# Altium PCB Nestling_2.x_EXB.PcbDoc (part 1 of 2) (continued)
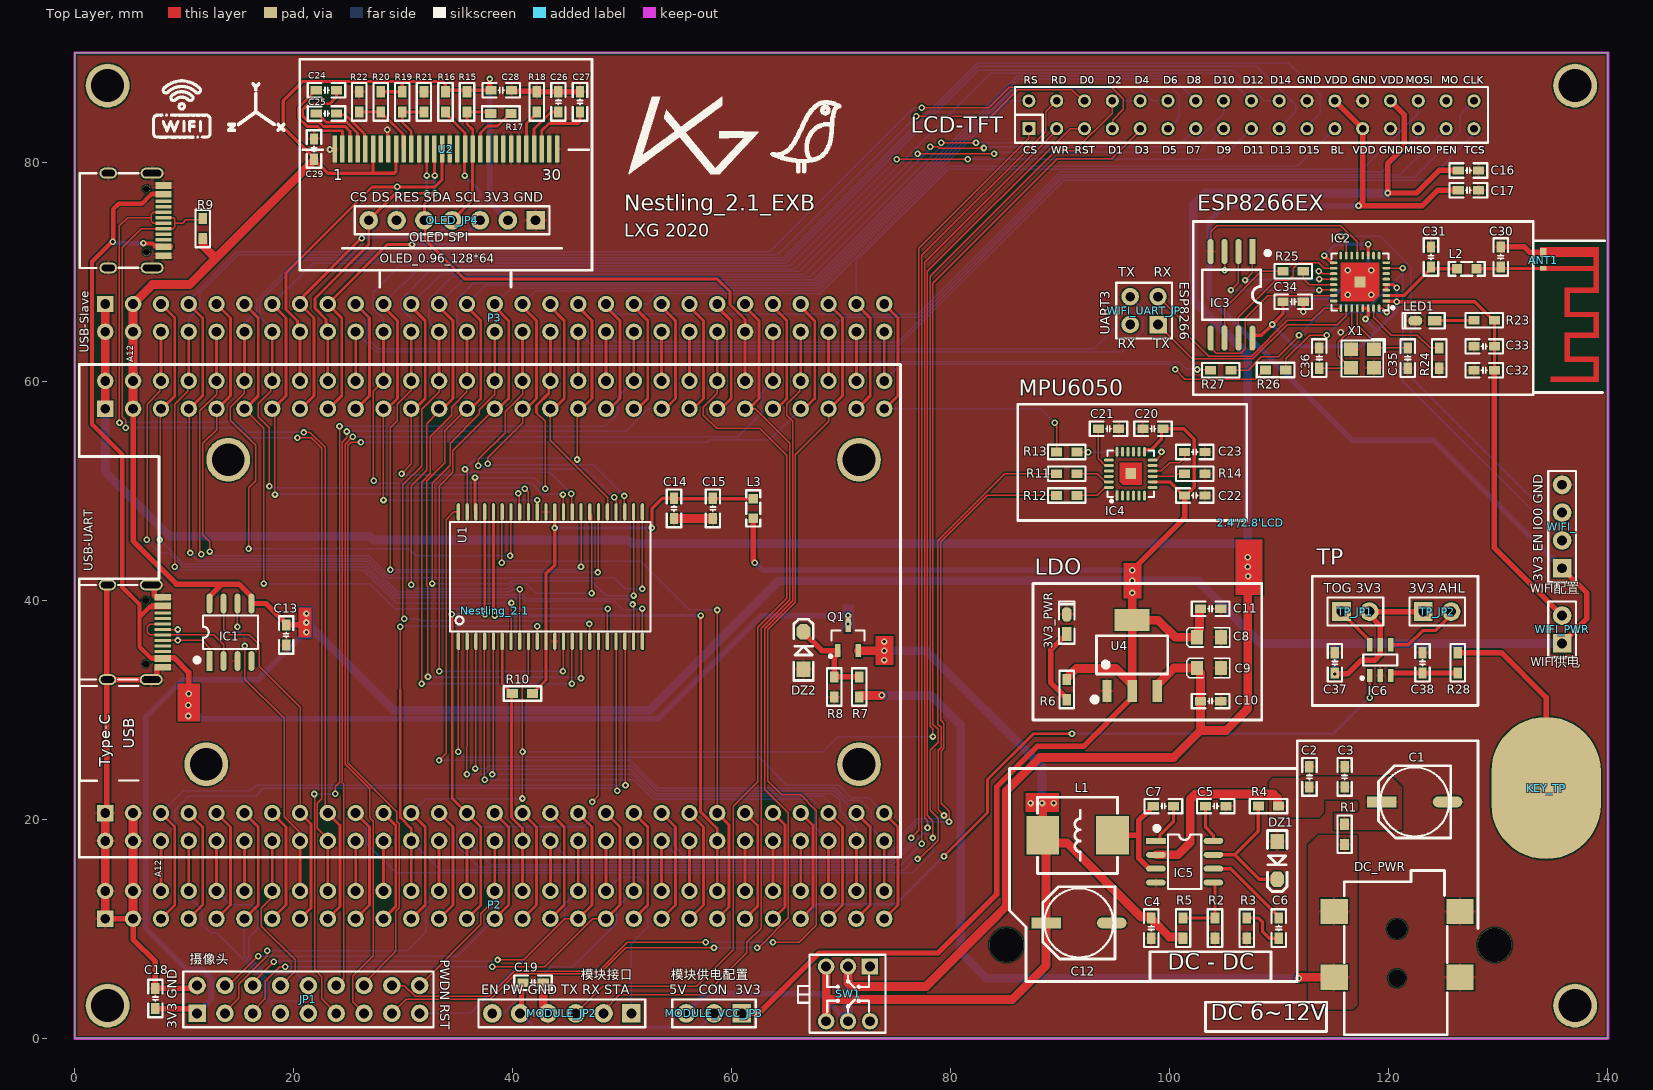
[diagram p0: Top Layer view]
## Footprints (in the part's own frame and the unit in brackets; to place one, negate y for a bottom-side part, rotate by r counter-clockwise, add the part's x,y. Pads: shape width x height; smd on the part's side, far side on the other; paste and mask are expansions set on the pad) (continued)
  oct 55x50 smd: 2(67.5,0)
  silkscreen extent -108,-35 112,35, body extent -73,-31 73,31, height 48
SOP8_N [mm] "5*6*1.8mm（长宽高）"
  rect 1.8x0.55 smd: 1(-2.625,1.905)
  oval 1.8x0.55 smd: 2(-2.625,0.635) 3(-2.625,-0.635) 4(-2.625,-1.905) 5(2.625,-1.905) 6(2.625,-0.635) 7(2.625,0.635) 8(2.625,1.905)
  silkscreen extent -2.69,-2.5 1.52,3.2, body extent -3,-2.5 3,2.5, height 1.9
SOP8W_N [mm] "5.3*8.3*1.8mm（长宽高）"
  rect 2.3x0.55 smd: 1(-3.95,1.905)
  oval 2.3x0.55 smd: 2(-3.95,0.635) 3(-3.95,-0.635) 4(-3.95,-1.905) 5(3.95,-1.905) 6(3.95,-0.635) 7(3.95,0.635) 8(3.95,1.905)
  silkscreen extent -3.94,-2.67 2.29,3.43, body extent -3.94,-2.64 3.94,2.64, height 1.9
SOT23-3N [mm] "3x1.3x1mm(长宽高)"
  rect 0.5x1.2 smd: 1(-0.95,-1.143) 2(0.95,-1.143) 3(0,1.143)
  silkscreen extent -1.72,-1.78 1.5,0.7, body extent -1.5,-1.2 1.5,1.2, height 1.05
SOT23-6N [mm] "3x1.6x1.1mm(长宽高)"
  rect 0.5x1.2 smd: 1(-0.95,-1.4) 2(0,-1.4) 3(0.95,-1.4) 4(0.95,1.4) 5(0,1.4) 6(-0.95,1.4)
  silkscreen extent -1.78,-1.78 1.55,0.51, body extent -1.5,-1.4 1.5,1.4, height 1.15
SOT223_N [mm] "6.4x7x1.6mm(长宽高)"
  rect 0.85x2 smd: 1(-2.3,-3.302) 2(0,-3.302) 3(2.3,-3.302)
  rect 3.2x2 smd: 2(0,3.175)
  silkscreen extent -3.63,-4.26 3.25,1.75, body extent -3.25,-3.51 3.25,3.51, height 1.65
TP_PIN_10*13mm [mm] "电容触摸感应电极"
  oval 10x13 smd: 1(0,0)
TSOP44-0.8MM [mm]
  oval 1.6x0.3 smd: 1(-5.9,8.4) 2(-5.9,7.6) 3(-5.9,6.8) 4(-5.9,6) 5(-5.9,5.2) 6(-5.9,4.4) 7(-5.9,3.6) 8(-5.9,2.8) 9(-5.9,2) 10(-5.9,1.2) 11(-5.9,0.4) 12(-5.9,-0.4) 13(-5.9,-1.2) 14(-5.9,-2) 15(-5.9,-2.8) 16(-5.9,-3.6) 17(-5.9,-4.4) 18(-5.9,-5.2) 19(-5.9,-6) 20(-5.9,-6.8) 21(-5.9,-7.6) 22(-5.9,-8.4) 23(5.9,-8.4) 24(5.9,-7.6) 25(5.9,-6.8) 26(5.9,-6) 27(5.9,-5.2) 28(5.9,-4.4) 29(5.9,-3.6) 30(5.9,-2.8) 31(5.9,-2) 32(5.9,-1.2) 33(5.9,-0.4) 34(5.9,0.4) 35(5.9,1.2) 36(5.9,2) 37(5.9,2.8) 38(5.9,3.6) 39(5.9,4.4) 40(5.9,5.2) 41(5.9,6) 42(5.9,6.8) 43(5.9,7.6) 44(5.9,8.4)
  silkscreen extent -5,-9.15 5,9.15
Type-C [mm]
  round 0.65 hole 0.65: 0(-0.98,2.89) 0(-0.98,-2.89)
  oval 1.6x1 hole 0.6 slot 1.2 at 0 deg: 1(2.52,4.325) 2(2.52,-4.325)
  oval 2.1x1 hole 0.6 slot 1.7 at 0 deg: 3(-1.48,-4.325) 4(-1.48,4.325)
  rect 1.5x0.3 smd: A1(-2.52,-3.35) A4(-2.52,-2.55) A5(-2.52,-1.25) A6(-2.52,-0.25) A7(-2.52,0.25) A8(-2.52,1.25) A9(-2.52,2.55) A12(-2.52,3.35) B1(-2.52,3.05) B4(-2.52,2.25) B5(-2.52,1.75) B6(-2.52,0.75) B7(-2.52,-0.75) B8(-2.52,-1.75) B9(-2.52,-2.25) B12(-2.52,-3.05)
  silkscreen extent -0.22,-4.33 5.12,4.33

## Part data
3V3_PWR: library part LED0, "Typical INFRARED GaAs LED"
C1 C12: library part C-CM, "贴片电解电容", BOM名称=贴, 学习资源=www.oooc
C2 C3 C4 C5 C6 C7 C13 C14 C15 C16 C17 C18 C19 C20 C21 C22 C23 C24 C25 C26 C27 C28 C29 C30 C31 C32 C33 C34 C35 C36 C37 C38: library part C, "无极性贴片电容"
  C2 C3 C4 C5 C6 C7 C13 C14 C15 C16 C17 C18 C19 C20 C21 C22 C23 C24 C25 C26 C27 C28 C29 C30 C31 C32 C33 C34 C35 C36: BOM名称=无, 学习资源=www.oooc
  C37 C38: BOM名称=无极性贴片电容, 版权归属=源创客, 学习资源=www.ooocke.com
C8 C9: library part C-CD, "贴片钽电容", BOM名称=?, 学习资源=www.oooc
C10: library part CAP, "Capacitor"
C11: library part Cap, "Capacitor", LatestRevisionDate=17-Jul-2002, LatestRevisionNote="Re-released for DXP Platform.", PackageReference=RAD-0.3, Published=8-Jun-2000, Publisher="Altium Limited"
DC_PWR: library part P-DC, "低压电源接口", BOM名称=DC?, 学习资源=www.oooc
DZ1 DZ2: library part 1N4625, "5.1V/0.5W稳压管", BOM名称=5.1V/0.5W, 学习资源=www.oooc
IC1: "USB 转串口芯片 CH330/CH340N"
IC2: "WIFI-芯片", BOM名称=WIFI-, 学习资源=www.oooc
IC3: library part SST25VFxx, "外置Flash", BOM名称=外?, 学习资源=www.oooc
IC6: library part RH6015C, "贴片单通道电容式触摸感应控制开关IC"
JP1: "9*2P接插件", BOM名称=9*2P, 学习资源=www.oooc
L1 L2 L3: library part L, "小功率贴片电感"
  L2 L3: BOM名称=小, 学习资源=www.oooc
LED1: library part LED-SMD, "贴片LED", BOM名称=?, 学习资源=www.oooc
MODULE_JP2: library part "Header 6", "6P接插件", BOM名称=6P, 学习资源=www.oooc
MODULE_VCC_JP3: library part "Header 3", "3P接插件", BOM名称=3P, 学习资源=www.oooc
OLED_JP4: library part "Header 7", "7P接插件", BOM名称=7P, 学习资源=www.oooc
Q1: library part SI2301, "P沟道场效应管", BOM名称=P沟, 学习资源=www.oooc
R1 R2 R3 R4 R5 R7 R8: library part R, "贴片电阻", BOM名称=?, 学习资源=www.oooc
R6: library part R
R9 R10 R11 R12 R13 R14 R15 R16 R17 R18 R19 R20 R21 R22 R23 R24 R25 R26 R27 R28: library part RES, "Resistor"
SW1: "7*7自锁开关", BOM名称=7*7?, 学习资源=www.oooc
TP_JP1 TP_JP2 WIFI_PWR: library part "Header 2", "2P接插件"
  TP_JP1 TP_JP2: BOM名称=2P接插件, 版权归属=源创客, 学习资源=www.ooocke.com
  WIFI_PWR: BOM名称=2P, 学习资源=www.oooc
U1: "TSOP-II,2.5V - 3.6V, 512K x 16,55ns", Manufacturer #1=ISSI, Manufacturer #1 PN=IS62WV51216BLL-55TI, Tolerance=55ns, PCB DECAL=TSOP44-0.8MM
U2: library part OLED_0.96_SSD1306, "OLED_0.96寸_SSD1306，裸屏接口"
U4: library part LT1085CM-3.3
WIFI_: library part "Header 4", "4P接插件", BOM名称=4P, 学习资源=www.oooc
WIFI_UART_JP: library part "Header 2X2", "2*2P接插件", BOM名称=2*2P接插件, 版权归属=源创客, 学习资源=www.ooocke.com
X1: library part XTAL-4P, "4脚无源晶振", BOM名称=4?, 学习资源=www.oooc

## Free pads (board coordinates)
  round 4 hole 3: 1(3,3) 1(3,87) 1(137,3) 1(137,87)

## Via types
v1: diameter 0.6, hole 0.3, Top Layer to Bottom Layer, 181 vias
v2: diameter 1.8, hole 1.8, Top Layer to Bottom Layer, 1 vias
v3: diameter 1.6, hole 1.6, Top Layer to Bottom Layer, 1 vias

## Nets (pads, with @x,y where several pads share a name; then routed paths per layer and width w, separated by ;. In a path a pad name is that pad's centre, name@x,y a point inside that pad or via, vN(x,y) a via of type N, cw(c..) or ccw(c..) an arc to the next point about the centre after c; other vN are vias at no path point)
3V3: 2.4'/2.8'LCD.24 2.4'/2.8'LCD.25 C8.1 C11.1 C13.2 C17.1 C18.1 C20.2 C22.1 C28.1 C29.1 C37.2 IC1.5 IC1.8 IC4.8 IC4.13 IC6.5 JP1.1 L3.1 MODULE_VCC_JP3.1 Nestling_2.1.61 Nestling_2.1.62 OLED_JP4.2 P3.3 P3.4 R6.2 R9.1 R15.2 R16.2 R19.2 R20.2 TP_JP1.2 TP_JP2.1 U2.6 U2.9 U4.2 WIFI_.1 WIFI_PWR.1 | length 554.3
  Top Layer w0.3: C29.1@21.844,80.277 21.844,80.404 19.05,83.198 19.05,85.598 20.828,87.376 29.916,87.376 ; C29.1@22.075,79.919 22.202,79.919 23.12,79.001 27.245,79.001 ; U2.6@27.245,81.204 27.245,79.001 ; R20.2@27.95,86.436 R19.2@29.916,86.436 29.916,87.376 ; U2.9@29.345,81.204 29.345,79.177 29.17,79.001 27.245,79.001 ; C28.1@38.024,86.563 33.975,86.563 R16.2@33.848,86.436 33.848,87.122 33.594,87.376 29.916,87.376 ; IC4.13@97.675,53.558 97.675,53.731 97.685,53.741 98.285,53.741 99.23,54.686 99.23,55.512 C20.2@99.384,55.666 101.255,55.666 102.235,54.686 102.235,50.338 101.467,49.57 C22.1@101.34,49.57 101.213,49.57 99.975,50.808 IC4.8@98.425,50.808
  Top Layer w0.5: Nestling_2.1.61@5.334,57.494 5.334,45.435 9.291,41.478 13.463,41.478 ; C18.1@7.366,2.718 10.744,2.718 JP1.1@11.176,2.286 ; IC1.8@12.319,39.709 12.319,40.334 13.463,41.478 ; v1(21.158,37.973) 21.131,37.973 20.919,37.761 C13.2@19.304,37.761 19.304,37.888 17.483,39.709 IC1.5@16.129,39.709 16.129,40.334 14.985,41.478 13.463,41.478 ; v1(37.897,87.605) 37.897,86.69 C28.1@38.024,86.563 ; MODULE_VCC_JP3.1@60.913,2.286 62.459,2.286 67.97,7.798 78.816,7.798 84.176,13.157 84.176,22.962 87.884,26.67 92.089,26.67 96.556,31.137 U4.2@96.556,31.712 ; L3.1@61.955,47.502 61.955,43.609 62.103,43.461 v1(62.103,43.434) ; v1(96.571,42.748) 101.34,47.517 C22.1@101.34,49.57 ; 2.4'/2.8'LCD.24@115.06,85.604 2.4'/2.8'LCD.25@117.6,83.064 117.6,76.428 117.221,76.049 v1(117.221,76.022) 123.035,76.022 124.457,77.445 C17.1@126.327,77.445 ; v1(115.062,33.274) 116.205,33.274 117.475,34.544 118.706,34.544 119.203,35.041 IC6.5@119.203,35.944 119.203,37.704 118.21,38.697 TP_JP1.2@118.21,38.974 TP_JP2.1@123.136,38.974 ; WIFI_PWR.1@135.813,36.068 138.074,38.329 138.074,40.665 WIFI_.1@135.813,42.926
  Top Layer w0.8: Nestling_2.1.61@5.334,57.494 Nestling_2.1.62@5.334,60.034 P3.4@5.334,64.516 P3.3@5.334,67.056 7.112,68.834 10.49,68.834 12.875,71.219 ; R9.1@11.684,73.158 11.703,73.139 11.703,72.391 12.875,71.219 ; C29.1@21.844,80.277 21.844,80.188 12.875,71.219 ; R6.2@90.58,32.778 90.58,32.886 91.476,33.782 95.061,33.782 U4.2@96.556,32.287 ; U4.2@96.556,31.712 U4.2@96.556,32.287 ; v1(96.556,40.676) U4.2@96.556,38.189 ; C8.1@102.454,36.62 100.478,36.62 98.909,38.189 U4.2@96.556,38.189 ; C8.1@102.604,36.87 102.604,37.241 102.702,37.338 102.702,39.209 102.721,39.228 C11.1@102.791,39.228 ; U4.2@96.556,32.287 U4.2@96.556,38.189
  Bottom Layer w0.5: JP1.1@11.176,2.286 12.446,3.556 12.446,5.512 11.684,6.274 10.27,6.274 6.492,10.052 6.492,29.381 9.87,32.759 16.757,32.759 21.082,37.084 v1(21.158,37.084) ; v1(37.897,87.605) 37.897,76.352 OLED_JP4.2@39.548,74.701 ; v1(62.103,43.434) 62.13,43.434 62.816,42.748 v1(96.571,42.748) ; v1(115.062,33.274) 115.062,36.068 ; v1(117.221,76.022) 104.953,76.022 103.607,74.676 103.607,67.65 116.651,54.605 124.134,54.605 WIFI_.1@135.813,42.926
  Bottom Layer w0.8: v1(21.158,37.973) 29.159,29.972 52.476,29.972 64.287,41.783 v1(96.571,41.783) 102.54,41.783 108.255,36.068 115.062,36.068 WIFI_PWR.1@135.813,36.068
  other v1: 21.158,38.786
3v3_WIFI: C32.1 C33.1 C34.1 IC2.1 IC2.3 IC2.4 IC2.11 IC2.17 IC2.29 IC2.30 IC3.8 R23.2 WIFI_PWR.2 | length 84.7
  Top Layer w0.3: IC3.8@107.528,63.944 107.528,64.083 107.644,64.198 108.36,64.198 v1(109.343,65.181) 110.325,66.163 C34.1@110.325,67.252 ; v1(114.1,71.479) 114.123,71.479 114.773,70.829 IC2.17@114.948,70.829 ; IC2.29@117.598,66.678 IC2.30@118.098,66.678 118.098,65.999 117.856,65.757 v1(117.856,65.684) ; IC2.11@118.098,71.479 v1(118.098,72.517) ; IC2.1@119.748,67.328 119.773,67.303 120.649,67.303 v1(120.701,67.251) 127.855,67.251 129.526,65.581 R23.2@129.634,65.581 C33.1@129.634,63.184 C32.1@129.634,61.006 ; IC2.3@119.748,68.328 IC2.4@119.748,68.829 120.386,68.829 120.669,68.546 v1(120.701,68.546) v1@120.668,68.579
  Top Layer w0.5: C32.1@129.634,61.006 129.634,44.788 WIFI_PWR.2@135.813,38.608
  Bottom Layer w0.3: v1(114.1,71.479) 115.138,72.517 v1(118.098,72.517) 118.098,70.905 114.757,67.564 111.706,67.564 109.343,65.201 v1(109.343,65.181) 111.328,63.195 117.478,63.195 118.899,64.616 ; v1(117.856,65.684) 117.856,65.659 118.899,64.616 ; v1(120.701,68.546) v1(120.701,67.251) 120.701,66.418 118.899,64.616
5V: 2.4'/2.8'LCD.28 C9.1 C10.1 C16.2 MODULE_VCC_JP3.3 Nestling_2.1.59 Nestling_2.1.60 P3.1 P3.2 SW1.2 SW1.5 U4.3 | length 291.3
  Top Layer w0.5: 83.566,10.541 83.566,10.566 ; 2.4'/2.8'LCD.28@120.14,85.604 121.412,84.332 121.412,81.408 119.888,79.884 v1(119.888,77.191) 122.53,77.191 124.587,79.248 C16.2@126.327,79.248
  Top Layer w0.8: Nestling_2.1.59@2.794,57.494 Nestling_2.1.60@2.794,60.034 P3.2@2.794,64.516 P3.1@2.794,67.056 ; SW1.2@70.612,6.564 70.612,5.043 70.905,4.75 77.749,4.75 83.553,10.554 ; 83.566,10.566 85.085,12.085 85.085,22.601 88.138,25.654 100.33,25.654 102.791,28.115 ; U4.3@98.856,31.712 98.856,32.287 100.378,33.809 C9.1@102.454,33.809 ; C9.1@102.791,33.373 C10.1@102.791,30.797 102.791,28.115 ; v1(107.112,43.053) 107.112,30.099 105.128,28.115 102.791,28.115
  Bottom Layer w0.5: MODULE_VCC_JP3.3@55.833,2.286 57.611,4.064 68.112,4.064 SW1.5@70.612,1.564
  Bottom Layer w0.8: Nestling_2.1.59@2.794,57.494 2.794,51.714 8.661,45.847 26.924,45.847 27.254,45.517 50.546,45.517 50.876,45.187 106.394,45.187 107.112,44.469 ; SW1.5@70.612,1.564 SW1.2@70.612,6.564 ; v1(107.112,43.942) 107.112,44.469 ; v1(119.888,77.191) 103.186,77.191 102.133,76.138 102.133,67.386 107.112,62.408 107.112,44.469
  other v1: 107.137,42.189
5V_IN: C4.2 C12.1 L1.2 Q1.2 R5.1 SW1.3 SW1.4 | length 82.2
  Top Layer w0.8: SW1.4@68.612,1.564 68.612,3.556 ; SW1.3@68.612,6.564 68.612,3.556 ; Q1.2@71.562,35.402 v1(73.911,35.402) ; v1@88.392,21.477 L1.2@88.392,18.542 L1.2@88.694,18.24 ; R5.1@101.206,9.144 101.206,9.252 99.955,9.252 98.298,10.909 C4.2@98.298,10.998 98.279,11.017 98.279,11.072 97.386,11.072 90.623,17.835 89.099,17.835 L1.2@88.694,18.24 ; 68.612,3.556 85.598,3.556 88.694,6.652 C12.1@88.694,10.541 L1.2@88.694,18.24
  Bottom Layer w0.8: v1(73.911,35.402) 77.73,35.402 88.328,24.803 v1(88.328,21.488)
  other v1: 87.274,21.488 89.383,21.488 73.911,34.544 73.911,36.233
5V_USB: Q1.3 USB-Slave.A4 USB-Slave.A9 USB-Slave.B4 USB-Slave.B9 USB-UART.A4 USB-UART.A9 USB-UART.B4 USB-UART.B9 | length 126.1
  Top Layer w0.4: v1@3.447,72.779 1.575,70.907 1.575,56.083 4.343,53.315 4.343,41.2 5.918,39.626 5.918,38.456 ; v1@3.531,72.863 3.531,75.717 4.026,76.213 6.134,76.213 6.835,76.914 6.838,76.914 7.015,77.091 7.355,77.091 ; v1(6.274,72.619) 6.312,72.58 7.091,72.58 7.281,72.391 USB-Slave.B4@7.785,72.391 ; USB-UART.B4@7.671,34.696 6.985,34.696 5.918,35.763 5.918,38.456 ; USB-UART.B9@7.97,39.395 6.858,39.395 5.918,38.456
  Top Layer w0.5: USB-UART.B4@8.132,34.734 9.106,34.734 10.411,33.429 v1(10.411,31.471) ; v1(70.612,37.846) v1(70.612,38.608)
  Bottom Layer w0.4: v1(3.48,72.746) 3.534,72.746 3.661,72.619 v1(6.274,72.619)
  Bottom Layer w0.5: v1(10.363,30.429) 11.608,29.185 53.264,29.185 62.687,38.608 v1(70.612,38.608)
  other v1: 10.363,29.439
12V: C1.1 C2.2 C3.2 IC5.2 R1.2 R4.2 | length 16.7
  Top Layer w0.8: IC5.2@98.721,16.764 100.738,16.764 101.854,17.88 101.854,21.844 102.324,22.314 109.463,22.314 109.823,21.953 109.823,21.209 R4.2@109.931,21.209
12V_IN: DC_PWR.1 R1.1 R7.2 | length 66.4
  Top Layer w0.8: R7.2@71.628,31.159 71.628,31.267 71.736,31.267 71.787,31.318 v1(73.685,31.318) ; v1(111.76,5.488) 111.86,5.588 DC_PWR.1@114.992,5.588
  Bottom Layer w0.8: v1(73.685,31.318) 78.181,31.318 80.899,28.6 80.899,7.849 83.26,5.488 v1(111.76,5.488)
"CH340N D+": IC1.1 USB-UART.A6 USB-UART.B6 | length 8.3
  Top Layer w0.127: USB-UART.B6@7.981,36.334 v1(9.398,36.334) 11.625,36.334 12.319,35.64 IC1.1@12.319,34.459 ; USB-UART.A6@7.981,37.334 v1(9.398,37.334)
  Bottom Layer w0.127: v1@9.144,37.338 v1@9.398,37.084
  Bottom Layer w0.3: v1(9.398,36.334) v1@9.398,37.084
"CH340N D-": IC1.2 USB-UART.A7 USB-UART.B7 | length 10.9
  Top Layer w0.127: USB-UART.B7@7.981,37.834 6.846,37.834 6.604,37.592 6.604,37.076 6.846,36.834 7.981,36.834 12.7,36.834 13.589,35.945 IC1.2@13.589,34.459
FMC_3V3: C14.2 C15.2 L3.2 R10.2 U1.11 U1.33 | length 37.8
  Top Layer w0.254: R10.2@41.81,31.496 41.918,31.496 42.191,31.769 42.191,31.877 43.031,32.717 U1.11@43.031,36.264
  Top Layer w0.3: U1.11@43.031,36.264 43.031,42.417 43.831,43.217 U1.33@43.831,48.064 ; v1(52.705,46.609) 52.705,48.358 53.665,49.318 C14.2@54.716,49.318 54.754,49.28 L3.2@61.955,49.28
  Bottom Layer w0.3: v1(43.815,46.609) v1(52.705,46.609)
FSMC_A0: Nestling_2.1.53 P2.53 U1.5 | length 55.7
  Top Layer w0.127: v1(38.126,24.101) 38.198,24.173 38.198,36.231 U1.5@38.231,36.264
  Top Layer w0.254: P2.53@68.831,10.92 70.104,12.194 70.104,19.302 Nestling_2.1.53@68.834,20.572
  Bottom Layer w0.127: v1(38.126,24.101) 50.934,24.101 52.937,22.098 68.326,22.098 68.834,21.59 Nestling_2.1.53@68.834,20.574
FSMC_A1: Nestling_2.1.54 P2.54 U1.4 | length 52.2
  Top Layer w0.127: v1(37.431,23.622) 37.398,23.655 37.398,36.231 U1.4@37.431,36.264
  Top Layer w0.254: P2.54@68.834,13.507 Nestling_2.1.54@68.834,17.989
  Bottom Layer w0.127: v1(37.431,23.622) 37.443,23.61 51.066,23.61 52.832,21.844 67.31,21.844 67.564,21.59 67.564,19.304 Nestling_2.1.54@68.834,18.034
FSMC_A2: Nestling_2.1.55 P2.55 U1.3 | length 59
  Top Layer w0.127: v1(36.576,24.638) 36.631,24.693 U1.3@36.631,36.264
  Top Layer w0.254: P2.55@71.371,10.92 72.644,12.194 72.644,19.302 Nestling_2.1.55@71.374,20.572
  Bottom Layer w0.127: v1(36.576,24.638) 37.61,24.638 37.818,24.845 50.94,24.845 53.18,22.606 69.342,22.606 Nestling_2.1.55@71.374,20.574
FSMC_A3: Nestling_2.1.56 P2.56 U1.2 | length 56.4
  Top Layer w0.127: v1(35.814,24.13) 35.814,26.663 35.821,26.67 35.821,36.254 U1.2@35.831,36.264
  Top Layer w0.254: P2.56@71.371,13.761 Nestling_2.1.56@71.371,18.243
  Bottom Layer w0.127: v1(35.814,24.13) 37.461,24.13 37.923,24.591 50.835,24.591 53.074,22.352 69.237,22.352 69.85,21.739 69.85,20.768 71.374,19.244 Nestling_2.1.56@71.374,18.034
FSMC_A4: Nestling_2.1.57 P2.57 U1.1 | length 62
  Top Layer w0.127: v1(35.031,26.162) U1.1@35.031,36.264
  Top Layer w0.254: P2.57@73.911,10.919 75.184,12.192 75.184,19.301 Nestling_2.1.57@73.914,20.571
  Bottom Layer w0.127: v1(35.031,26.162) 35.539,25.654 62.484,25.654 65.024,23.114 69.745,23.114 70.866,21.993 72.495,21.993 Nestling_2.1.57@73.914,20.574
FSMC_A5: Nestling_2.1.58 P2.58 U1.44 | length 73.1
  Top Layer w0.127: v1(33.271,25.4) 33.909,26.038 33.909,47.371 34.602,48.064 U1.44@35.031,48.064
  Top Layer w0.254: P2.58@73.911,13.761 Nestling_2.1.58@73.911,18.243
  Bottom Layer w0.127: v1(33.271,25.4) 50.745,25.4 53.285,22.86 69.491,22.86 70.612,21.739 71.733,21.739 72.707,20.765 72.707,19.241 Nestling_2.1.58@73.914,18.034 Nestling_2.1.58@73.651,17.771
FSMC_A6: Nestling_2.1.93 P3.35 U1.43 | length 30
  Top Layer w0.127: v1(35.636,51.968) 35.821,51.784 35.821,48.074 U1.43@35.831,48.064 ; v1(45.872,52.857) 45.872,57.048 45.974,57.15 Nestling_2.1.93@45.974,57.494
  Top Layer w0.254: Nestling_2.1.93@45.974,57.15 47.244,58.42 47.244,65.529 P3.35@45.974,66.799
  Bottom Layer w0.127: v1(35.636,51.968) 36.617,52.949 45.78,52.949 v1(45.872,52.857)
FSMC_A7: Nestling_2.1.92 P3.34 U1.42 | length 24.9
  Top Layer w0.127: 42.164,57.147 42.955,56.356 v1(42.955,50.19)
  Top Layer w0.254: v1(36.551,51.206) 36.551,48.144 U1.42@36.631,48.064 ; 42.164,57.147 42.164,57.787 43.28,58.903 43.28,59.88 Nestling_2.1.92@43.431,60.031 ; P3.34@43.431,64.262 Nestling_2.1.92@43.431,60.031 ; Nestling_2.1.92@43.434,60.034 Nestling_2.1.92@43.431,60.031
  Bottom Layer w0.127: v1(36.551,51.206) 41.939,51.206 v1(42.955,50.19)
FSMC_A8: Nestling_2.1.91 P3.33 U1.27 | length 22.3
  Top Layer w0.127: Nestling_2.1.91@43.434,57.494 43.434,57.15 43.434,54.602 48.659,49.378 48.659,48.092 U1.27@48.631,48.064
  Top Layer w0.254: Nestling_2.1.91@43.431,57.147 43.434,57.15 44.704,58.42 44.704,65.529 P3.33@43.434,66.799
FSMC_A9: Nestling_2.1.90 P3.32 U1.26 | length 28.9
  Top Layer w0.127: v1(36.855,52.273) 36.855,52.857 39.295,55.297 39.295,57.225 40.894,58.824 Nestling_2.1.90@40.894,60.034 ; v1(49.276,49.403) 49.276,49.275 49.431,49.12 U1.26@49.431,48.064
  Top Layer w0.254: Nestling_2.1.90@40.891,59.78 P3.32@40.891,64.262
  Bottom Layer w0.127: v1(36.855,52.273) 37.211,52.273 37.516,51.968 46.711,51.968 v1(49.276,49.403)
FSMC_A10: 2.4'/2.8'LCD.2 Nestling_2.1.89 P3.31 U1.25 | length 86.1
  Top Layer w0.127: v1(37.719,52.459) 37.719,53.027 40.894,56.202 40.894,57.152 Nestling_2.1.89@40.894,57.494 ; v1(50.165,49.53) 50.198,49.497 50.198,48.097 U1.25@50.231,48.064
  Top Layer w0.254: Nestling_2.1.89@40.891,57.148 40.894,57.152 42.164,58.422 42.164,65.53 P3.31@40.894,66.8
  Bottom Layer w0.127: v1(37.719,52.459) 37.811,52.367 47.328,52.367 v1(50.165,49.53) ; P3.31@40.894,67.056 42.089,68.251 67.909,68.251 85.263,85.604 2.4'/2.8'LCD.2@87.12,85.604
FSMC_A11: Nestling_2.1.88 P3.30 U1.24 | length 52
  Top Layer w0.127: v1(32.639,41.529) 32.639,50.688 34.281,52.33 34.281,54.347 36.951,57.017 36.951,57.421 38.354,58.824 Nestling_2.1.88@38.354,60.034 ; v1(51.031,40.434) U1.24@51.031,47.995
  Top Layer w0.254: Nestling_2.1.88@38.354,60.034 P3.30@38.354,64.516
  Bottom Layer w0.127: v1(32.639,41.529) 39.733,41.529 39.987,41.783 47.176,41.783 48.525,40.434 v1(51.031,40.434)
FSMC_A12: Nestling_2.1.64 P3.6 U1.22 | length 70.4
  Top Layer w0.127: v1@6.604,45.517 6.604,57.912 7.785,59.093 7.785,59.945 Nestling_2.1.64@7.874,60.034 ; v1(51.816,39.243) 51.824,39.235 51.824,36.271 U1.22@51.831,36.264
  Top Layer w0.254: Nestling_2.1.64@7.874,60.034 P3.6@7.874,64.516
  Bottom Layer w0.127: v1(6.568,45.517) 7.762,44.323 8.582,44.323 9.852,43.053 26.444,43.053 29.256,40.241 40.771,40.241 41.117,39.896 49.258,39.896 50.02,39.134 51.143,39.134 51.253,39.243 v1(51.816,39.243)
FSMC_A13: Nestling_2.1.63 P3.5 U1.21 | length 71.7
  Top Layer w0.127: v1@7.81,45.517 7.81,57.342 7.872,57.404 7.872,57.492 Nestling_2.1.63@7.874,57.494 ; U1.21@51.031,36.264 51.042,36.276 v1@51.042,39.624
  Top Layer w0.254: Nestling_2.1.63@7.872,57.404 9.144,58.676 9.144,65.784 P3.5@7.874,67.054
  Bottom Layer w0.127: v1(7.747,45.517) 9.957,43.307 26.55,43.307 29.361,40.495 31.388,40.495 40.876,40.495 41.222,40.15 50.415,40.15 v1(50.94,39.624)
FSMC_A14: Nestling_2.1.5 P2.5 U1.20 | length 67.4
  Top Layer w0.127: U1.20@50.231,36.264 50.261,36.233 50.261,23.145 v1(50.292,23.114)
  Top Layer w0.254: P2.5@7.871,10.922 9.144,12.195 9.144,19.304 Nestling_2.1.5@7.874,20.574
  Bottom Layer w0.127: Nestling_2.1.5@7.874,20.574 9.906,22.606 16.002,22.606 16.51,23.114 v1(50.292,23.114)
FSMC_A15: Nestling_2.1.6 P2.6 U1.19 | length 62.8
  Top Layer w0.127: U1.19@49.431,36.264 49.431,22.705 v1(49.53,22.606)
  Top Layer w0.254: P2.6@7.874,13.507 Nestling_2.1.6@7.874,17.989
  Bottom Layer w0.127: Nestling_2.1.6@7.874,18.034 9.144,19.304 9.144,20.828 10.414,22.098 16.51,22.098 17.229,22.817 49.319,22.817 v1(49.53,22.606)
FSMC_A16: Nestling_2.1.69 P3.11 U1.18 | length 62.7
  Top Layer w0.127: Nestling_2.1.69@15.494,57.494 15.539,57.449 17.272,55.716 v1(17.272,41.529) ; U1.18@48.631,36.264 48.645,36.278 48.645,39.212 v1(48.659,39.225)
  Top Layer w0.254: Nestling_2.1.69@15.491,57.401 15.539,57.449 16.764,58.674 16.764,65.783 P3.11@15.494,67.053
  Bottom Layer w0.127: v1(17.272,41.529) 26.924,41.529 29.228,39.225 v1(48.659,39.225)
FSMC_A17: Nestling_2.1.68 P3.10 U1.23 | length 69.6
  Top Layer w0.127: v1(11.557,44.196) 11.466,44.287 11.466,44.47 11.43,44.507 11.43,57.3 12.954,58.824 Nestling_2.1.68@12.954,60.034 ; v1(51.816,41.039) 51.824,41.046 51.824,48.057 U1.23@51.831,48.064
  Top Layer w0.254: Nestling_2.1.68@12.954,60.034 P3.10@12.954,64.516
  Bottom Layer w0.127: v1(11.557,44.196) 11.938,43.815 26.76,43.815 28.538,42.037 49.276,42.037 50.274,41.039 v1(51.816,41.039)
FSMC_A18: Nestling_2.1.67 P3.9 U1.28 | length 66.5
  Top Layer w0.127: v1(12.319,44.45) 12.319,45.339 11.684,45.974 11.684,54.32 12.954,55.59 12.954,57.404 Nestling_2.1.67@12.954,57.494 ; v1(47.752,42.545) 47.798,42.591 47.798,48.031 U1.28@47.831,48.064
  Top Layer w0.254: Nestling_2.1.67@12.954,57.404 14.224,58.674 14.224,65.783 P3.9@12.954,67.053
  Bottom Layer w0.127: v1(12.319,44.45) 12.7,44.069 26.865,44.069 28.626,42.309 29.032,42.309 29.269,42.545 v1(47.752,42.545)
FSMC_D0: 2.4'/2.8'LCD.6 Nestling_2.1.66 P3.8 U1.7 | length 150.5
  Top Layer w0.127: v1(9.144,43.053) 9.144,57.897 10.341,59.093 10.341,59.961 Nestling_2.1.66@10.414,60.034 ; U1.7@39.831,36.264 39.854,36.288 39.854,39.727 v1(39.878,39.751) ; v1(76.835,84.201) 83.693,84.201 86.106,86.614 91.059,86.614 92.069,85.604 2.4'/2.8'LCD.6@92.2,85.604
  Top Layer w0.254: Nestling_2.1.66@10.414,60.034 P3.8@10.414,64.516
  Bottom Layer w0.127: v1(9.144,43.053) 9.398,42.799 26.339,42.799 29.387,39.751 v1(39.878,39.751) ; P3.8@10.414,64.516 10.414,65.726 11.434,66.746 11.434,68.076 14.911,71.553 64.187,71.553 v1(76.835,84.201) ; 2.4'/2.8'LCD.6@92.179,85.583 2.4'/2.8'LCD.6@92.2,85.604
FSMC_D1: 2.4'/2.8'LCD.7 Nestling_2.1.65 P3.7 U1.8 | length 157.7
  Top Layer w0.127: Nestling_2.1.65@10.414,57.494 10.458,57.45 10.477,57.43 10.477,44.386 v1(10.541,44.323) ; U1.8@40.631,36.264 40.635,36.268 40.635,41.016 v1(40.64,41.021) ; v1(77.343,84.963) 83.439,84.963 85.344,86.868 94.668,86.868 95.758,85.778 95.758,84.833 94.774,83.849 94.774,83.09 2.4'/2.8'LCD.7@94.742,83.058
  Top Layer w0.254: Nestling_2.1.65@10.411,57.402 10.458,57.45 11.684,58.676 11.684,65.784 P3.7@10.414,67.054
  Bottom Layer w0.127: P3.7@10.414,67.056 10.414,67.415 14.805,71.807 63.447,71.807 76.603,84.963 v1(77.343,84.963) ; v1(10.541,44.323) 11.303,43.561 26.655,43.561 29.431,40.785 39.707,40.785 39.944,41.021 v1(40.64,41.021)
FSMC_D2: 2.4'/2.8'LCD.8 Nestling_2.1.23 P2.23 U1.9 | length 140.1
  Top Layer w0.127: v1(40.883,21.901) 40.883,32.512 41.431,33.06 U1.9@41.431,36.264 ; v1(78.359,27.559) 78.359,28.258 78.105,28.512 78.105,29.083 78.105,69.574 89.557,81.026 91.288,81.026 94.742,84.48 2.4'/2.8'LCD.8@94.742,85.598
  Top Layer w0.254: P2.23@30.731,10.92 32.004,12.194 32.004,19.302 Nestling_2.1.23@30.734,20.572
  Bottom Layer w0.127: Nestling_2.1.23@30.734,20.574 32.061,21.901 v1(40.883,21.901) ; v1(40.891,26.162) 68.326,26.162 69.723,27.559 v1(78.359,27.559)
FSMC_D3: 2.4'/2.8'LCD.9 Nestling_2.1.24 P2.24 U1.10 | length 165.2
  Top Layer w0.127: v1(29.718,37.592) 29.718,31.826 29.73,31.814 ; U1.10@42.231,36.264 v1(42.231,37.64) ; v1(76.962,16.383) 77.13,16.383 78.849,18.103 78.849,20.102 78.105,20.846 78.105,26.289 78.849,27.033 78.849,28.212 78.359,28.702 78.359,68.961 89.715,80.317 94.668,80.317 97.28,82.929 2.4'/2.8'LCD.9@97.28,83.064
  Top Layer w0.254: 29.73,31.814 29.73,20.158 30.723,19.165 30.723,18.045 Nestling_2.1.24@30.734,18.034 ; P2.24@30.734,13.507 Nestling_2.1.24@30.734,17.989
  Bottom Layer w0.127: v1(29.718,37.592) 29.742,37.616 42.207,37.616 v1(42.231,37.64) ; Nestling_2.1.24@30.734,18.034 33.401,15.367 75.692,15.367 76.708,16.383 v1(76.962,16.383)
FSMC_D4: 2.4'/2.8'LCD.10 Nestling_2.1.87 P3.29 U1.13 | length 118.6
  Top Layer w0.127: v1(33.274,33.528) 33.274,50.419 34.535,51.68 34.535,53.675 Nestling_2.1.87@38.354,57.494 Nestling_2.1.87@38.354,57.152 ; v1(44.577,33.528) 44.604,33.555 44.604,36.237 U1.13@44.631,36.264
  Top Layer w0.254: Nestling_2.1.87@38.354,57.152 39.624,58.422 39.624,65.53 P3.29@38.354,66.8
  Bottom Layer w0.127: v1(33.274,33.528) v1(44.577,33.528) ; P3.29@38.354,67.056 39.803,68.505 67.804,68.505 85.948,86.649 94.809,86.649 95.854,85.604 2.4'/2.8'LCD.10@97.28,85.604
FSMC_D5: 2.4'/2.8'LCD.11 Nestling_2.1.86 P3.28 U1.14 | length 133.2
  Top Layer w0.127: v1(31.675,32.385) 31.675,50.8 32.473,51.598 32.473,54.955 34.417,56.899 34.417,57.644 35.814,59.041 Nestling_2.1.86@35.814,60.034 ; v1(45.398,32.385) 45.398,36.231 U1.14@45.431,36.264
  Top Layer w0.254: Nestling_2.1.86@35.814,60.034 P3.28@35.814,64.516
  Bottom Layer w0.127: v1(31.675,32.385) v1(45.398,32.385) ; P3.28@35.814,64.516 34.873,65.457 34.873,67.446 36.44,69.013 67.594,69.013 86.211,87.63 99.314,87.63 100.838,86.106 100.838,84.082 2.4'/2.8'LCD.11@99.82,83.064
FSMC_D6: 2.4'/2.8'LCD.12 Nestling_2.1.85 P3.27 U1.15 | length 126.9
  Top Layer w0.127: v1(32.258,33.02) 32.258,41.216 32.149,41.326 32.149,50.898 33.801,52.55 33.801,55.481 Nestling_2.1.85@35.814,57.494 ; v1(46.228,32.893) 46.229,32.894 U1.15@46.231,36.264 U1.15@46.231,36.264
  Top Layer w0.254: Nestling_2.1.85@35.811,57.147 37.084,58.42 37.084,65.529 P3.27@35.814,66.799
  Bottom Layer w0.127: v1(32.258,33.02) 32.322,32.956 46.164,32.956 v1(46.228,32.893) ; P3.27@35.814,67.056 37.517,68.759 67.699,68.759 85.843,86.903 97.099,86.903 98.398,85.604 2.4'/2.8'LCD.12@99.82,85.604
FSMC_D7: 2.4'/2.8'LCD.13 Nestling_2.1.84 P3.26 U1.16 | length 126.3
  Top Layer w0.127: v1(30.099,38.329) 29.972,38.456 29.972,50.546 31.675,52.249 31.675,57.442 33.274,59.041 Nestling_2.1.84@33.274,60.034 ; v1(46.99,37.846) 47.011,37.825 47.011,36.284 U1.16@47.031,36.264 ; v1(79.121,81.788) v1(82.296,81.788)
  Top Layer w0.254: Nestling_2.1.84@33.274,60.034 P3.26@33.274,64.516
  Bottom Layer w0.127: v1(30.099,38.329) 31.376,38.329 31.587,38.118 41.628,38.118 41.641,38.131 46.581,38.131 46.865,37.846 v1(46.99,37.846) ; P3.26@33.274,64.516 32.333,65.457 32.333,67.446 34.408,69.521 67.166,69.521 79.03,81.385 79.03,81.697 v1(79.121,81.788) ; v1(82.296,81.788) 101.084,81.788 2.4'/2.8'LCD.13@102.36,83.064